# Allegro board A527_draft_V1_0.brd (continued)
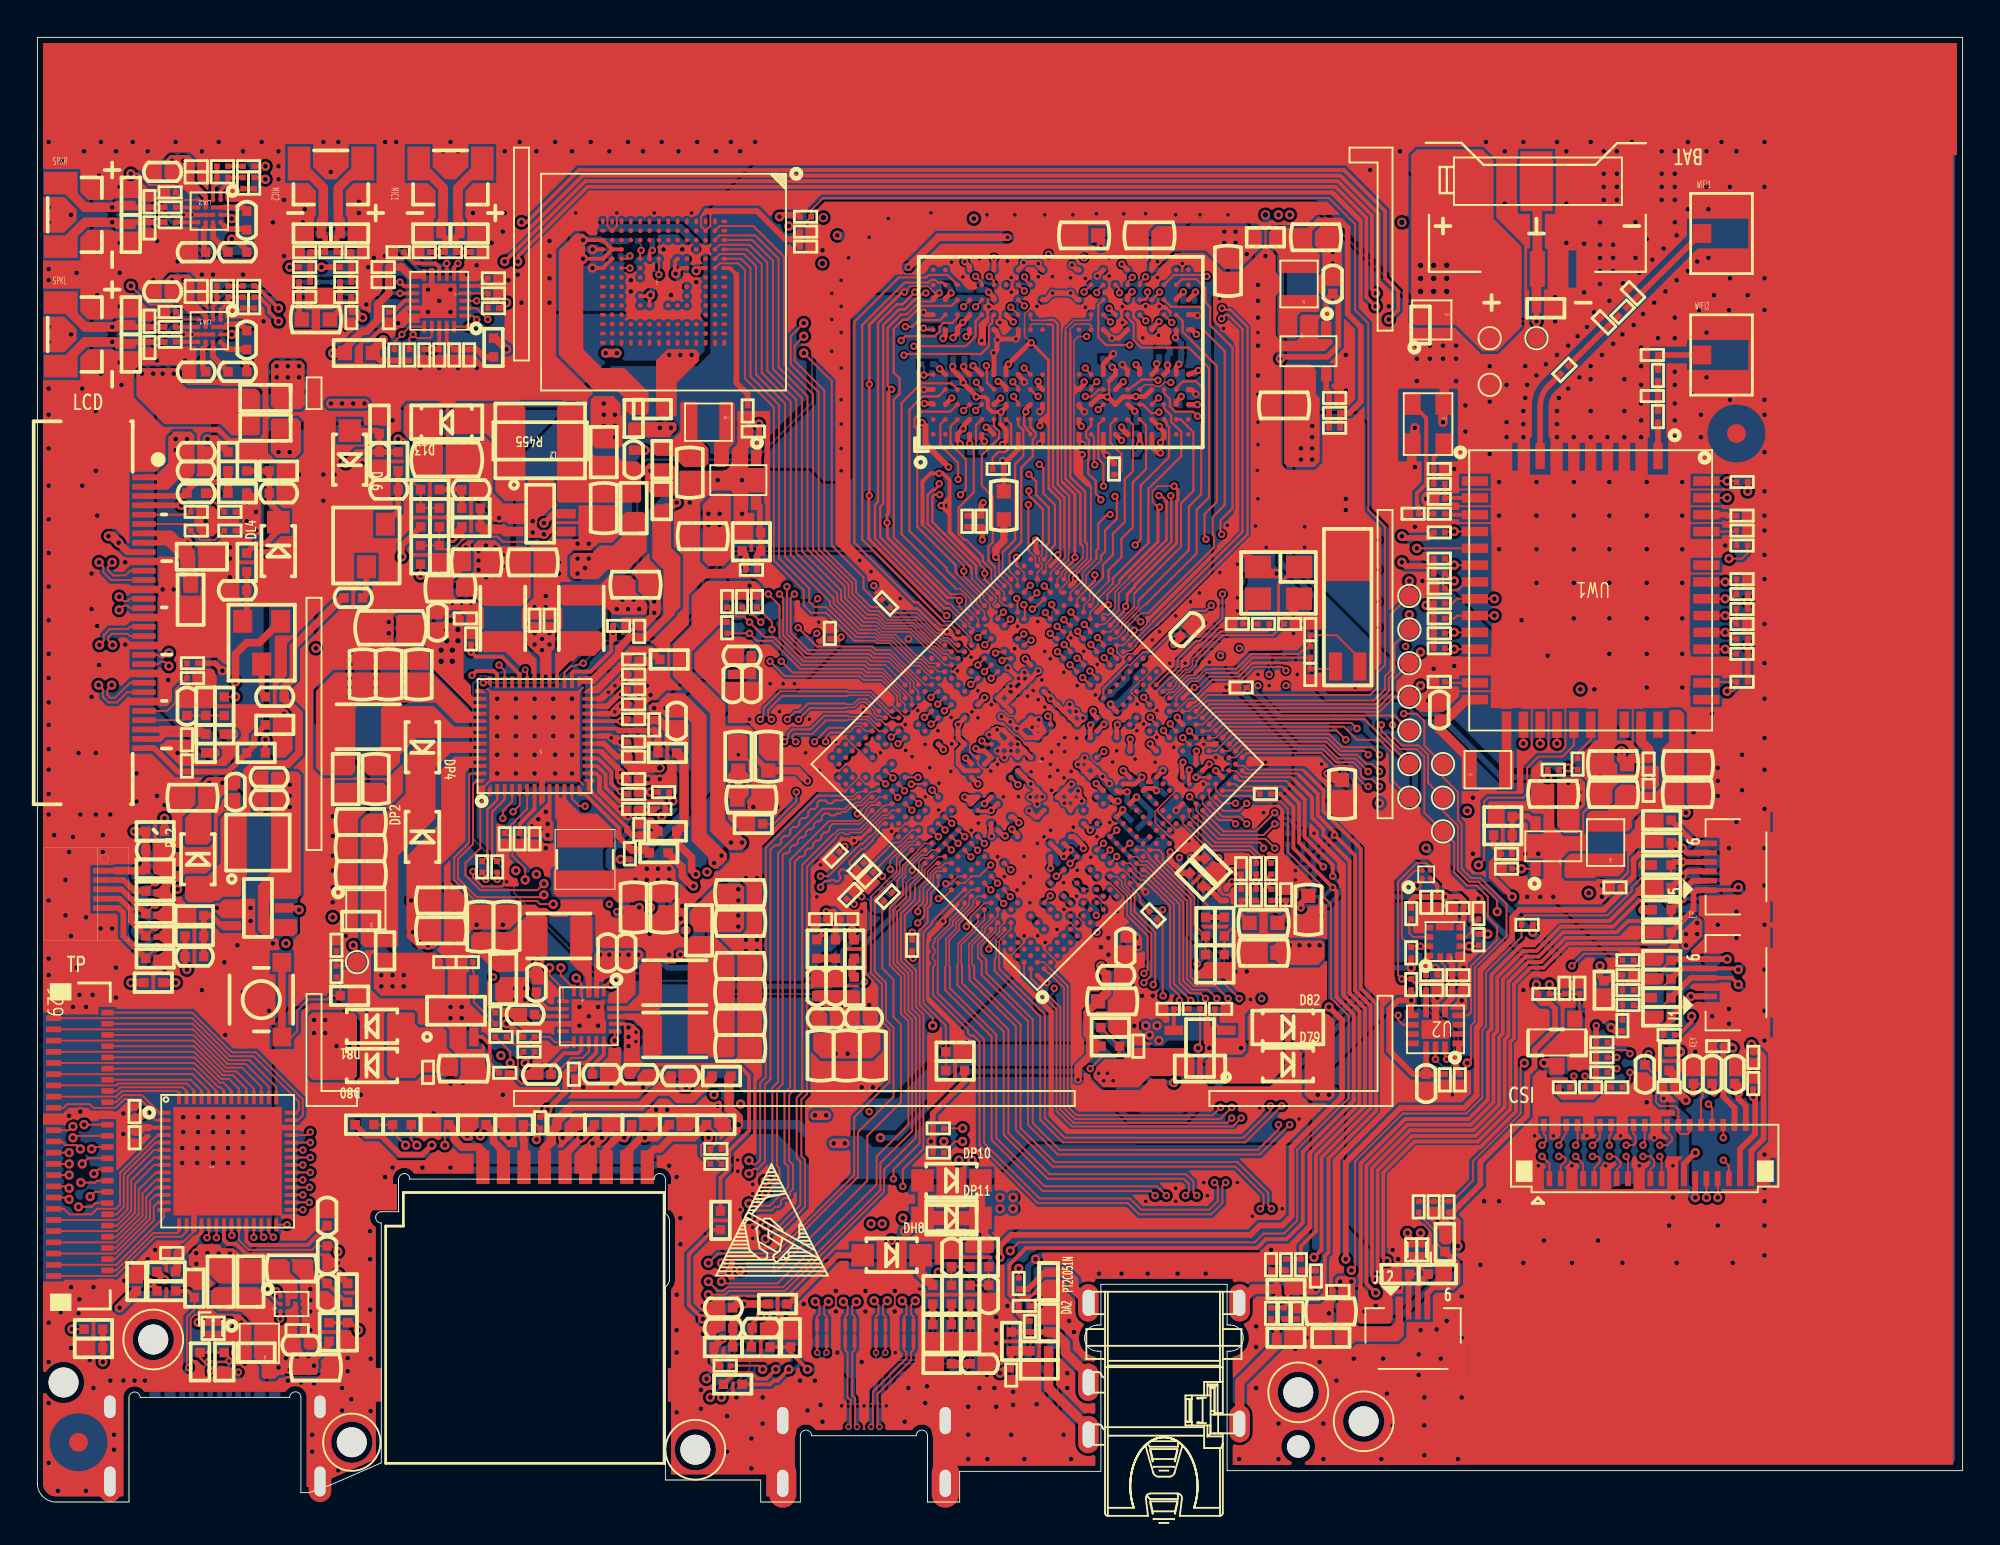
[diagram p0: board, top side]
## Routing (per net, layer and track width the routed paths; a pad name or vN(x,y) marks a point on that pad's centre or on a via; arc(x,y) is an arc through that point) (continued)
GND-ADC: length 10.4
  TOP w0.25: U1.AA7 v1(58.8,37.73)
  TOP w0.254: v1(56.64,38.46) 57.02,38.09 U1.Y10
  TOP w0.3: R46.1 61.75,34.45 v1(61.7,34.5)
  ART05 w0.254: v1(56.64,38.46) 57.1,38 57.57,38 58.07,38.5
  ART05 w0.305: 58.07,38.5 58.5,38.5 58.8,38.2 v1(58.8,37.73)
  BOTTOM w0.3: v1(58.8,37.73) 58.82,37.73 59.56,36.99 59.56,36.74 C68.2 ; v1(61.7,34.5) 61.7,34.6 60.5,35.8 60.12,35.8 C67.2 59.89,36.01 C68.2 ; C133.2 C68.2
VBAT:
  vias: v2(30.3,58.8) v2(30.3,58.2) v2(30.3,57.6) v2(30.9,58.2) v2(30.9,57.6) v2(30.9,57) v4(21.6,45.6) v4(21.6,45) v4(21.9,46.7) v4(21.9,46.1) v4(22.1,47.2) v4(22.2,45.6) v4(22.2,45) v4(22.5,46.7) v4(22.5,46.1) v4(74,66.2) v4(74,65.5) v4(74,64.8) v4(74.7,66.2) v4(74.7,65.5) v4(74.7,64.8) v4(75.4,66.2) v4(75.4,65.5) v4(75.4,64.8)
VBUS: length 1.4
  TOP w0.24: UP2.A2 UP2.A3 13.8,11.3 ; UP2.A2 UP2.B2 ; UP2.A2 13.4,11.3
  vias: v2(8.5,13.33) v2(8.5,12.75) v2(9.1,13.33) v2(9.1,12.75) v2(9.7,13.3) v2(10.3,13.3) v2(20,32.2) v2(20.1,30.5) v2(20.3,31.7) v2(20.4,30) v2(20.8,31.4) v2(20.9,29.8)
VCC33-USB: length 16.8
  TOP w0.25: U1.K19 U1.J19 v1(49.61,37.73) U1.K19
  TOP w0.3: C72.1 v1(46.8,30.5)
  TOP w0.4: RP34.2 v2(42.2,29.1) RP56.2
  ART03 w0.3: v1(46.8,30.5) 46.1,30.5 44.7,29.1 v2(42.2,29.1)
  ART04 w0.3: v1(49.61,37.73) 47.3,35.42 47.3,35.1
  ART04 w0.4: 47.3,35.1 47.3,32.6 46.6,31.9 46.6,30.7 v1(46.8,30.5)
VCC-5V: length 4
  TOP w0.5: DP11.A 48.14,15.21 RU28.2 ; DP11.A DP10.A ; DP11.A 47.25,15.21 46.54,14.5 v2(46.4,14.5)
  vias: v1(56.77,22.95) v1(57.05,22.55) v1(57.25,22.95) v1(57.55,22.55) v2(12.9,56.8) v2(12.9,56.2) v2(13.5,56.8) v2(13.5,56.2) v2(18.4,28.2) v2(18.4,27.6) v2(19,28.2) v2(19,27.6) v2(19.6,28.2) v2(19.6,27.6) v2(51.5,16.3) v2(51.5,15.7) v2(52.2,16.3) v2(52.2,15.7)
VCC-5V-HDMI: length 20.4
  TOP w0.4: DH7.2 v2(49.4,7.4) CH4.2
  TOP w0.5: 50.5,13.6 50.9,14 ; 50.5,13.6 RH2.2 49.9,13.8 v2(50.4,14.3) ; 50.5,13.6 RH1.2 50.9,14 ; 50.9,14 50.6,14.3 v2(50.4,14.3) ; RU28.1 50.44,15.2 DP11.K ; DP11.K DP10.K ; DP11.K 50.6,15.06 50.6,14.5 v2(50.4,14.3)
  ART04 w0.5: v2(50.4,14.3) 50.6,14.1 50.6,8.1 CH4.2 v2(49.4,7.4)
  BOTTOM w0.2: 46.3,6.8 46.03,6.53 CON2.19
  BOTTOM w0.4: 46.3,6.8 48.8,6.8 v2(49.4,7.4)
VCC-5V-USB: length 1.3
  TOP w0.3: 72.5,9.2 72.86,9.56 J12.2
  vias: v2(68.5,21.8) v2(69.1,21.8) v2(69.7,11.8) v2(70.3,11.8)
VCC-CARD-3V3: length 14.4
  TOP w0.5: 33.9,22 33.1,22 ; 33.9,22 34.3,21.6 35,21.6 36.1,22.7 RC2.2 ; 33.9,22 CC1.1 33.1,22 ; 33.1,22 32.3,21.2 28.6,21.2 27.8,20.4 DC5.2 27.8,20.1 27.5,19.8 27.5,19.3 27.13,18.93 JC1.4
VCC-CTP1: length 6
  TOP w0.3: 4.2,33.8 JL4.1
  TOP w0.4: v2(5.2,35.9) BL1.2 CL25.1 DL11.2 5.7,33.8 4.2,33.8
  BOTTOM w0.4: TP7.1 5.5,35.6 v2(5.2,35.9)
VCC-DRAML: length 29.5
  TOP w0.254: v1(59.88,60.93) 59.88,60.6 UD1.W5 ; v1(59.93,66.39) 59.63,66.09 UD1.W12 ; U1.AC19 54.91,42.38 v1(55.23,42.7) 55.23,42.66 v1(55.57,42.32) ; U1.AC19 55.27,41.98 ; U1.AC19 U1.AC20 54.24,43 v1(54.21,43) 54.21,43.04 U1.AC22 ; UD1.AA3 60.93,58.91 v1(61.2,59.18) ; 55.27,41.98 55.57,42.28 v1(55.57,42.32) ; 55.27,41.98 U1.AC18 U1.AC17 55.65,41.62 55.94,41.91 v1(55.94,41.97) 55.92,41.97 v1(55.57,42.32) ; v1(61.07,60.9) 60.93,60.76 UD1.AA5 ; v1(48.45,62.28) 48.58,62.4 UD1.B8 ; UD1.W1 59.63,56.46 59.93,56.15 v1(60.09,56.15) ; v1(58.57,64.79) 58.33,64.55 UD1.U10 ; v1(49.69,62.38) 49.88,62.57 UD1.D8 ; v1(51.53,59.09) 51.19,58.75 UD1.F3 ; v1(60.88,62.33) 60.93,62.38 UD1.AA8 ; v1(48.88,64.72) 48.58,64.42 UD1.B10 ; v1(49.61,66.39) 49.88,66.13 UD1.D12 ; v1(50.9,64.76) 51.18,64.48 UD1.F10 ; v1(61.31,64.78) 60.93,64.39 UD1.AA10 ; v1(60,63.19) 59.63,62.81 UD1.W8 ; UD1.U3 58.35,58.75 v1(58.71,58.39) ; UD1.D1 v1(49.88,56.66) ; UD1.B3 v1(48.92,59.1) ; v1(49.55,60.78) 49.55,60.65 49.85,60.35 UD1.D5 ; UD1.B5 v1(48.27,60.66)
  BOTTOM w0.254: v1(48.88,64.72) 48.88,64.92 CD22.1
  BOTTOM w0.3: v1(48.27,60.66) 48.03,60.9 RD3.2 ; v1(48.45,62.28) 48.4,62.33 RD4.2 ; v1(61.31,64.78) 61.3,64.77 CD21.1 ; CD10.1 49.9,56.64 v1(49.88,56.66) ; CD25.1 50.76,64.9 v1(50.9,64.76) ; CD20.1 60,61.05 v1(59.88,60.93) ; CD11.1 58.8,58.3 v1(58.71,58.39) ; CD8.1 60.14,66.6 v1(59.93,66.39) ; v1(61.2,59.18) 61.1,59.08 CD23.1 ; v1(60.88,62.33) 61.2,62.02 CD24.1 61.2,61.03 v1(61.07,60.9) ; CD32.1 59,47.12 v1(59.03,47.12) ; v1(44.75,49.05) 46.9,46.9 47.5,46.9 48.3,46.1 49,46.1 RD5.2 ; v1(49.55,60.78) 49.6,60.82 CD9.1
  vias: v2(63.5,68) v2(63.5,67.4) v2(64.1,68) v2(64.1,67.4) v2(64.7,67.4) v2(64.7,66.8)
VCC-LCD: length 20.9
  TOP w0.3: RL28.2 19.5,51.2 v2(19.5,50.6) ; RL3.2 9.5,44.9 v2(9.9,44.5) ; RL2.2 11.2,53 ; RL1.2 11.2,52
  TOP w0.5: 11.2,53 v2(11.7,53) ; 11.2,53 v2(11.2,52.5) 11.2,52 v2(11.7,52) v2(11.7,53) ; 11.2,53 v2(11.2,53.5) RL11.1 11.7,53.5 v2(11.7,53) ; v2(17.5,58.8) v2(16.9,58.8) v2(16.3,58.8) v2(15.7,58.8) ; RL12.1 v2(10.5,41.1)
  ART03 w0.3: v2(19.5,50.6) 17.9,50.6 16.1,52.4 12.1,52.4 v2(11.7,52)
  vias: v2(13.5,38.4) v2(13.5,37.8) v2(13.5,37.2) v2(32.8,55.2) v2(33,54.7) v2(33.6,54.7) v2(33.9,55.2)
VCC-PC: length 59.4
  TOP w0.2: UM1.M4 UM1.N4 ; UM1.N4 UM1.P5 v2(29.2,66.55) ; UM1.N4 UM1.P3 v2(29.2,67.55) ; v2(35.25,65.9) 35.4,66.05 UM1.C6
  TOP w0.254: v1(50.68,43.06) 50.68,43.05 50.32,42.69 U1.U26
  TOP w0.3: v1(43,46.3) 42.9,46.2 C48.1
  ART04 w0.3: v2(29.2,67.55) v2(29.2,66.55) 29.1,66.45 29.1,65.2 30.3,64 36.4,64 40.7,59.7 40.7,50.2 42.7,48.2 42.7,46.6 v1(43,46.3) 45.7,46.3 46.7,45.3 47.1,45.3 49.5,42.9 50.52,42.9 v1(50.68,43.06)
  BOTTOM w0.3: CM2.1 29.05,66.7 v2(29.2,66.55) ; RM9.2 30.6,67.5 ; 30.6,67.5 30.2,67.5 30.1,67.6 29.25,67.6 v2(29.2,67.55) 29.15,67.5 CM8.1 ; 30.6,67.5 RM8.2
  BOTTOM w0.4: v2(35.25,65.9) 35.25,67.35 34.4,68.2 29,68.2 28.7,67.9 CM8.1 CM2.1
VCC-RTC: length 125.5
  TOP w0.2: UP1.35 25.8,44.3 24.85,45.25 23.45,45.25 v1(23.2,45.5)
  TOP w0.254: U1.AE13 57.74,41.53 57.78,41.56 v1(57.78,41.6)
  TOP w0.3: RP129.1 25.87,24.9 25.17,25.6 v2(25.1,25.6) ; CP25.1 v1(23.2,45.5) ; RP2.1 40.7,68.9 39.8,68.9 v2(39.7,68.8)
  ART03 w0.3: v2(39.7,68.8) 39.7,68.4 34.1,62.8 33.2,62.8 32,61.6 32,55.8 27,50.8 27,49.7 CP25.1 v1(23.2,45.5) 23.2,45.27 22.3,44.37 22.3,37 25.5,33.8 v2(25.6,33.8) ; v2(67,68.9) 67.6,68.3 67.6,60 66.9,59.3 66.9,49.5 66.2,48.8 66.2,47.6 v1(64.3,45.7)
  ART03 w0.305: v1(57.78,41.6) 58.3,42.12 58.3,42.9 59.6,44.2 62.9,44.2 64.3,45.6 v1(64.3,45.7)
  ART04 w0.3: v2(25.6,33.8) 25.6,33.05 25.43,32.87 25.43,30.43 25,30 25,25.7 v2(25.1,25.6)
  ART05 w0.3: v2(67,68.9) 67,69.2 65.3,70.9 45,70.9 42.3,68.2 41.6,68.2 40.9,68.9 39.8,68.9 v2(39.7,68.8)
  BOTTOM w0.3: v1(64.3,45.7) RP4.1 ; C20.1 57.78,41.68 v1(57.78,41.6)
VDD09-USB: length 13.6
  TOP w0.25: U1.L18 v1(50.67,37.38)
  TOP w0.4: RP33.2 43.6,29 v2(43.6,28.6) 43.6,28.2 RP41.2
  BOTTOM w0.3: v1(50.67,37.38) 50.48,37.38 50,36.9 C73.1 49.6,36.9 49.38,36.67 49.38,36.08 47.3,34 47.3,33.6 45.8,32.1 45.8,31.4 44.2,29.8 44.2,29.2 v2(43.6,28.6)
VDD-CPUB: length 8.9
  TOP w0.25: 51.35,40.94 v1(51.35,41.34) 51.66,41.34 U1.U22 U1.U21 ; 51.35,40.94 51.18,41.12 51.18,41.34 ; 51.35,40.94 U1.T22 ; U1.U21 52.1,40.91 v1(52.45,40.57) ; U1.U21 U1.T21
  TOP w0.254: v1(52.09,40.21) U1.T19 U1.U19 ; v1(52.09,40.21) v1(51.73,39.85) v1(51.37,40.21) 51.72,40.56 U1.T21 ; v1(52.09,40.21) U1.T21 ; v1(52.09,40.21) v1(52.45,40.57) 52.79,40.22 U1.U19 ; U1.U18 U1.U19 ; v1(51.35,41.34) 51.18,41.34 50.92,41.08 v1(50.92,41.07) 51.04,41.07 51.2,40.91 U1.T22 U1.T21
  vias: v2(36.1,31.4) v2(36.4,31.9) v2(37,31.9) v2(37.5,32.8) v2(37.5,32.2) v2(37.5,31.4) v2(37.5,30.8)
VDD-CPUBFB: length 34
  TOP w0.1: v2(30.7,27.7) 30.4,27.7 30.3,27.6 UP8.1 ; v2(30.89,24.7) UP8.16
  TOP w0.114: v1(50.53,40.74) 50.71,40.56 U1.R22
  ART03 w0.114: v1(50.53,40.74) 50.27,41 48.6,41 48.4,40.8 48,40.8 47.7,41.1 46.3,41.1 45.9,41.5 45.5,41.5 44.9,40.9 44.2,40.9 35.63,32.33 34.33,32.33 33.83,31.83 v2(32.8,31.83)
  ART04 w0.1: v2(32.8,31.83) 32.8,31.73 31.17,30.1 30.1,30.1 29.6,29.6 29.6,28.8 v2(30.7,27.7) 31,27.4 31,24.81 v2(30.89,24.7)
  BOTTOM w0.1: T7.1 v1(50.53,40.74)
VDD-CPULFB: length 32.9
  TOP w0.1: UP1.12 28.6,37.65 29,37.25 v1(29.3,37.25) ; v1(54.06,42.07) 54.21,41.92 U1.AA19
  ART03 w0.076: v1(54.06,42.07) 53.88,42.07 53.25,42.7 53.02,42.7 53.02,42.7 52.74,42.7 52.74,42.7 52.7,42.7 52.4,43 51.6,43 48.8,45.8 48.56,45.8
  ART03 w0.1: v1(29.3,37.25) 30.75,37.25 31,37.5 32.9,37.5 33.7,38.3 33.8,38.3 34.3,38.8 34.7,38.8 35.9,40 35.9,41 38.3,43.4 40.7,43.4 43.1,45.8 48.56,45.8
  BOTTOM w0.1: T8.1 54.38,42.38 v1(54.06,42.07)
VDD-DNR: length 14.8
  TOP w0.254: 55.98,39.15 55.98,39.18 v1(55.68,39.48) v1(56.04,39.84) 56.04,39.75 56.29,39.5 U1.AA13 ; 55.98,39.15 U1.Y12 U1.AA12 ; 55.98,39.15 U1.AA13 ; 55.98,39.15 U1.Y13 ; v1(57.35,38.46) 57.01,38.8 57.01,38.82 v1(57,38.83) U1.AA12 ; U1.AA13 U1.AA12
  TOP w0.5: 68.6,29.6 68.6,29.2 68.4,29 66.6,29 66.35,29.25 C43.1 ; 68.6,29.6 68.4,29.4 C43.1 ; 68.6,29.6 v2(68.6,29.8) v2(68.05,29.8) v2(67.53,29.8) v2(67,29.8) 66.5,29.8 66.35,29.65 C43.1
  ART03 w0.1: v2(59.9,25.5) 59.5,25.9 58.2,25.9 57.9,25.6
  vias: v2(25.55,27.5) v2(25.55,26.9) v2(26.1,27.5) v2(26.1,26.9) v2(59.3,25.5) v2(59.5,25) v2(60,24.7)
VDD-DNRFB: length 58.9
  TOP w0.1: UP8.4 29.09,27.39 29.09,27.79 v2(28.83,28.05)
  TOP w0.114: U1.AB13 v1(57.06,40.17)
  ART03 w0.1: v1(65.5,26.95) 65.35,26.95 64.95,27.35 62.38,27.35 62.12,27.08 62.12,26.77 61.85,26.5 45.2,26.5 44.7,27 33.7,27 32.3,28.4 29.17,28.4 v2(28.83,28.05) ; v1(57.06,40.17) 57.49,40.6 58,40.6 58.4,40.2 59.1,40.2 59.3,40 60,40 61.65,38.35 v1(61.65,37.75)
  BOTTOM w0.1: v1(61.65,37.75) T10.1 62.1,30.5 63.5,29.1 63.5,28.1 63.7,27.9 64.75,27.9 65.5,27.15 v1(65.5,26.95)
VDD-SYSFB: length 54.8
  TOP w0.1: v3(26.1,44.55) 26.2,44.45 UP1.34
  TOP w0.114: v1(52.46,38.4) 52.46,38.42 U1.P18
  ART03 w0.1: v1(44.25,27.85) 44.5,28.1 45,28.1 46.5,29.6 47.6,29.6 50.2,32.2 51.2,32.2 53.3,34.3 53.3,34.7 53,35 53,36.5 52.1,37.4 52.1,38.04 v1(52.46,38.4)
  BOTTOM w0.1: v1(44.25,27.85) 44.25,27.85 44.15,27.75 43.45,27.75 42.9,27.2 36.4,27.2 35.7,27.9 33.1,27.9 32.7,28.3 29.8,28.3 25.5,32.6 25.5,33.3 23.3,35.5 23.3,43.8 23.7,44.2 24,44.2 24.1,44.1 25.6,44.1 26.05,44.55 v3(26.1,44.55) ; v1(52.46,38.4) 52.4,38.4 T9.1
VDDI-EMMC: length 9.9
  TOP w0.1: 36,68.9 36,68.3 UM1.C2 35.5,68.3 35.5,68.8 35.65,68.95 ; 36,68.9 35.8,69.1 ; 36,68.9 36.2,69.1
  TOP w0.2: 35.8,69.1 35.65,68.95
  TOP w0.3: 40.4,67.6 40,67.6 38.5,69.1 35.8,69.1 ; 40.4,67.6 CM3.1 CM4.1 40.4,67.6
323-ALDO1: length 2
  TOP w0.2: UP8.15 30.3,23.95 29.7,23.35 CP136.1
323-DLDO1: length 2.9
  TOP w0.2: UP8.12 29.1,24.2 28.93,24.03 28.18,24.03 27.47,23.32 CP137.1
323-RTCLDO: length 2
  TOP w0.2: CP138.1 26.7,27 27.3,26.4 UP8.7
ACIN-DET: length 13.4
  TOP w0.076: U1.AM6 63.05,40.91 63.63,41.5
  TOP w0.1: TP31.1 72.5,38.6 72.5,40.1 71.8,40.8 70.6,40.8 69.9,41.5 63.63,41.5
AECLN: length 1.3
  TOP w0.2: UA3.12 v1(19.4,64.7)
  BOTTOM w0.2: CA66.2 v1(19.4,64.7)
AECLP: length 1.4
  TOP w0.2: UA3.11 19.6,65.1 v1(19.4,65.3)
  BOTTOM w0.2: CA63.2 v1(19.4,65.3)
AECRN: length 5.1
  TOP w0.2: v1(22.5,66.3) 22.3,66.1 UA3.6
  BOTTOM w0.2: v1(22.5,66.3) 22.1,65.9 20.48,65.9 19.08,67.3 CA59.2
AECRP: length 4.5
  TOP w0.2: UA3.7 v1(21.9,66.3)
  BOTTOM w0.2: v1(21.9,66.3) 21.8,66.2 20.6,66.2 18.9,67.9 CA56.2
AFVCC-CSI: length 83.6
  TOP w0.3: CV1.1 90.2,21.7 90.8,21.1 90.8,20.19 JV1.36
  TOP w0.4: CV1.1 90.6,24.4 v2(90.7,24.3) ; v2(35.23,33.6) 35,33.83 35,34.5 34.2,35.3 RP53.2
  TOP w0.5: RP53.2 34.6,36.3 34.6,39.7 RP35.2
  ART03 w0.4: v2(37.63,21.3) 38.6,21.3 39.3,20.6 40.8,20.6 41.3,20.1 43.1,20.1 44.3,18.9 45.5,18.9 47.15,20.55 59.7,20.55 62.2,23.05 64.93,23.05 65.55,23.68 66.94,23.68 67.12,23.85 74.05,23.85 74.5,24.3 83.1,24.3 83.5,24.7 89.1,24.7 89.5,24.3 v2(90.7,24.3)
  ART04 w0.4: v2(37.63,21.3) 37.63,21.4 35.6,23.43 35.6,28.9 33.85,30.65 33.85,32.05 34.4,32.6 34.4,33.2 34.8,33.6 v2(35.23,33.6)
ALDO1: length 76.9
  TOP w0.3: JV1.38 91.4,20.19 91.4,21.2 91,21.6 v2(91,21.9)
  TOP w0.4: v2(35.1,32.97) 35.03,32.97 34.5,33.5 34.5,33.99 RP16.1
  TOP w0.5: v2(91,21.9) 91,22.2 CV2.1
  ART03 w0.4: v2(91,21.9) 91,22 90.5,22.5 86.3,22.5 85.7,21.9 81.9,21.9 81.4,22.4 68,22.4 67.88,22.28 66.13,22.28 65.51,21.65 62.95,21.65 60,18.7 52.7,18.7 49.8,15.8 45.9,15.8 45.2,15.1 v2(45.2,14.9)
  ART04 w0.4: v2(45.2,14.9) 45.2,15.08 38.8,21.48 38.8,21.71 36.6,23.91 36.6,29.5 35.1,31 v2(35.1,32.97)
ALDO2: length 114.5
  TOP w0.2: UP1.14 29.49,38.16 31.55,36.1
  TOP w0.25: U1.L9 v1(54.21,33.93)
  TOP w0.3: CV3.1 92.1,24.1 92.35,23.85 92.35,19.45 91.7,18.8 91.7,17.31 JV1.39 ; RV2.1 83.4,21.9 83.19,21.69 81.61,21.69 81.4,21.9 RV3.1 ; RV2.1 RV5.1 RV6.1 RV7.1 v1(83.4,25.5) ; RV2.1 RV4.1 ; 31.55,36.1 31.55,35.95 31.8,35.7 CP28.1
  TOP w0.4: CV3.1 91.8,24.4 v2(91.7,24.5) ; CP28.1 33,35.7 RP53.1 33.2,36 v2(32.8,36.4)
  ART03 w0.4: v2(36.2,21.8) 36.3,21.9 38.8,21.9 39.45,21.25 42.75,21.25 43.9,20.1 45.75,20.1 46.7,21.05 59.4,21.05 v2(60.8,22.45) 61.9,23.55 64.72,23.55 65.35,24.18 66.74,24.18 66.91,24.35 73.82,24.35 74.27,24.8 82.7,24.8 v1(83.4,25.5) 83.9,26 84.7,26 85.4,25.3 89.3,25.3 89.6,25 91.2,25 v2(91.7,24.5)
  ART04 w0.4: v2(34.4,29.3) 35.1,28.6 35.1,23.2 36.2,22.1 v2(36.2,21.8)
  BOTTOM w0.3: v2(60.8,22.45) 59.65,22.45 56.2,25.9 56.2,29.9 55.5,30.6 55.5,31.82 C52.1
  BOTTOM w0.305: v1(54.21,33.93) 54.03,33.75 54.03,33.29 C52.1
  BOTTOM w0.4: v2(32.8,36.4) 31.6,35.2 31,35.2 30.6,34.8 30.6,34.1 30.9,33.8 30.9,32.7 31.5,32.1 31.5,31.6 32,31.1 32.9,31.1 34.4,29.6 v2(34.4,29.3)
ALDO3: length 143.5
  TOP w0.2: CP31.1 33.6,37.3 33.4,37.5 31.15,37.5 30.4,38.25 30.4,38.95 29.95,39.4 UP1.16
  TOP w0.254: U1.AE11 58.46,40.22 v1(58.46,40.83)
  TOP w0.3: v2(80.2,27.7) 80.2,27.3 RV13.1 80.3,26.9 80.5,26.7 80.9,26.7 81.2,26.4 81.2,25.3 80.1,24.2 80.1,23.3 79.7,22.9 79.7,20.7 77.2,18.2 77.2,17 75.75,15.55 ; 75.75,15.25 RU4.1 75.7,15.5 75.75,15.55 ; 75.75,15.25 75.75,15.55 ; 75.75,15.25 76,15 v2(76,13.7) ; RP56.1 v1(42.1,30.5) ; CP31.1 33.6,36.9 v2(33.4,36.7)
  ART03 w0.3: v2(46.3,15.2) 50.5,15.2 51.4,14.3 52.1,14.3 v2(53.4,13)
  ART04 w0.3: v1(65.3,43.7) 64.5,43.7 64,44.2 59.5,44.2 58.3,43 58.3,40.99 v1(58.46,40.83) ; v2(46.3,15.2) 46.2,15.3 46.2,15.4 43.9,17.7 43.9,21.6 41.1,24.4 41.1,29.5 v1(42.1,30.5) 42.8,30.5 43.1,30.8 43.1,31.2 42.7,31.6 42.7,34.2 42.2,34.7 42.2,35.7 40.1,37.8 35,37.8 33.9,36.7 v2(33.4,36.7)
  BOTTOM w0.3: U3.1 52.51,6.99 52.75,6.75 52.75,5.25 52.9,5.1 C94.1 R25.2 53.9,4.9 54.21,5.21 54.21,6.69 53.5,7.4 53.5,9.9 53,10.4 53,12.6 v2(53.4,13) 53.6,13.2 65.2,13.2 67.8,10.6 69.4,10.6 70.3,9.7 72.7,9.7 76,13 v2(76,13.7) ; v2(80.2,27.7) 80.2,28.7 77.2,31.7 76.8,31.7 73.7,34.8 73.7,39.3 72.2,40.8 71.6,40.8 71.1,41.3 71.1,41.7 70.8,42 RP5.1 RP6.1 66.5,42 64.9,43.6 C59.1 v1(65.3,43.7)
ALDO4: length 170.7
  TOP w0.2: v1(31.2,38.05) 31.1,38.05 30.7,38.45 30.7,39.1 30,39.8 UP1.17
  TOP w0.254: v1(52.85,45.13) 52.85,45.1 U1.AD25 ; v1(57.06,41.63) 57.01,41.57 56.99,41.57 U1.AD15 ; v1(57.41,42.7) 57.41,42.66 U1.AG15 ; v1(58.07,37.06) 58.07,37 U1.W7
  TOP w0.3: v2(32.8,38) RP57.1 ; R7.1 v1(63,31.3) R5.1 ; 63.6,32.2 63.3,32.2 v1(62.8,32.7) 62.55,32.95 R45.1 ; v1(31.2,38.05) 31.35,37.9 CP32.1 ; CD18.1 CD17.1 50.55,52.15 v1(50.55,51.51)
  TOP w0.305: v1(48.75,55.4) 47.52,56.63 47.52,57.59 v1(47.33,57.78)
  TOP w0.4: v1(46.6,66.1) 48.2,67.7 v1(51.9,67.7)
  ART03 w0.4: v2(66.4,68.9) 66.4,68.7 67.1,68 67.1,60.4 66.4,59.7 66.4,50.8 65.6,50 65.6,47.8 63.3,45.5 v1(63.3,45.3) ; v2(42.8,67.8) 41.9,67.8 40.4,66.3 40.4,61 41.2,60.2 41.2,48.3 40,47.1 40,46.4 39.3,45.7 38.1,45.7 37.5,45.1 37.5,44.4 34.7,41.6 34.7,40.6 34,39.9 32.9,39.9 31.77,38.78 31.77,38.37 31.45,38.05 v1(31.2,38.05)
  ART04 w0.229: v1(58.07,37.06) 58.07,36.73 62.1,32.7 v1(62.8,32.7)
  ART04 w0.3: v1(31.2,38.05) 31.25,38 v2(32.8,38) ; v1(63,31.3) 62.8,31.5 v1(62.8,32.7) 63.3,33.2 63.3,33.9 63.7,34.3 63.7,34.8 63.2,35.3 63.2,36.9 60,40.1 59.3,40.1 59.1,40.3 58.3,40.3 57.06,41.54 v1(57.06,41.63) 57.06,42.35 v1(57.41,42.7)
  ART04 w0.305: v1(52.85,45.13) 53.64,45.92 53.64,46.37 52.98,47.03 52.98,47.07 51.16,48.89 51.16,49.98 50.78,50.36 50.78,51.28 v1(50.55,51.51) 50.31,51.75 50.31,52.46 49.94,52.83 49.94,55.14 49.68,55.4 v1(48.75,55.4) ; v1(47.33,57.78) 47.31,57.78 46.94,58.16 46.94,60.57 47.43,61.06 47.43,62.12 46.95,62.6 46.95,63.29 45.9,64.34 45.9,65.4 v1(46.6,66.1)
  ART05 w0.4: v2(42.8,67.8) 42.8,68 45.2,70.4 65.1,70.4 66.4,69.1 v2(66.4,68.9)
  BOTTOM w0.3: v1(51.9,67.7) 54.1,67.7 RD6.1 ; v1(58.07,37.06) 58.07,36.93 C133.1
  BOTTOM w0.4: v1(57.06,41.63) 57.41,41.98 v1(57.41,42.7) 57.8,42.7 58.8,43.7 58.8,44.12 C21.1 C22.1 59.78,45.1 60,45.1 60.3,45.4 61.2,45.4 61.7,45.9 63,45.9 63.3,45.6 v1(63.3,45.3) ; v2(42.8,67.8) 43,67.8 44.7,66.1 v1(46.6,66.1)
ALDO-OUT: length 2.6
  TOP w0.25: U1.AE7 v1(60.22,39.15)
  BOTTOM w0.3: 60.05,39.15 60.04,39.15 59.57,39.15 RP59.1 ; 60.05,39.15 C62.1 60.39,39.32 v1(60.22,39.15) 60.05,39.15
AP-CK32K-OUT: length 44.5
  TOP w0.076: U1.AL11 60.92,42.33 61.6,43 61.83,43 62.61,43.79
  TOP w0.1: RW2.1 81.5,39.3 v2(81.9,39.3) 82.3,39.3 RW30.2 ; v1(66.8,44.5) 66.6,44.7 65.1,44.7 64.4,44 62.83,44 62.61,43.79 ; RW15.1 91.5,50.8 91.2,50.5 v2(90.5,50.5)
  ART04 w0.1: v1(66.8,44.5) 67,44.7 72.15,44.7 73.8,43.05 73.8,42.6 76.6,39.8 81.4,39.8 v2(81.9,39.3) 84.9,39.3 88.5,42.9 88.5,49.1 89.9,50.5 v2(90.5,50.5)
AP-NMI: length 128.7
  TOP w0.076: 62.6,43.2 62,42.6 61.9,42.6 61.63,42.33 U1.AM10
  TOP w0.1: 62.6,43.2 64.5,43.2 64.6,43.3 64.6,43.5 C23.1 65.1,43.2 71.3,43.2 71.7,43.6 71.7,44.4 72.1,44.8 72.1,52.2 71.2,53.1 71.2,63.1 70.5,63.8 70.5,68.4 69.1,69.8 42.03,69.8 41.4,69.17 RP2.2 41,68.4 40.3,68.4 v2(40.2,68.3) ; v1(24.7,44.8) 25,44.5 UP1.37 ; RP130.1 25.3,24.1 v2(25.3,23.5)
  ART03 w0.1: v2(40.2,68.3) 40.2,68.1 34.4,62.3 33.4,62.3 32.4,61.3 32.4,57.1 33,56.5 33,56.1 27.45,50.55 27.45,49.45 24.9,46.9 24.9,45 v1(24.7,44.8) 23.3,44.8 22.8,44.3 22.8,37.1 25.6,34.3 26,34.3 v2(26.7,33.6)
  ART04 w0.1: v2(25.3,23.5) 27,25.2 27,27.65 26,28.65 26,29.6 26.15,29.75 26.15,32.65 26.7,33.2 v2(26.7,33.6)
AP-RESET: length 130.8
  TOP w0.1: R19.1 84.45,29.35 82.75,29.35 v1(82.1,28.7) ; RP128.1 26.6,24 v2(26.1,23.5) ; v2(27.1,33.1) 26.75,32.75 23.7,32.75 22.9,33.55 22.9,34.2 23.7,35 23.7,37.4 24.2,37.9 UP1.1
  TOP w0.114: U1.AJ11 59.54,41.94 v1(59.54,42.01)
  ART03 w0.1: v2(82.55,43.5) 83.65,42.4 83.65,39.6 84,39.25 84,35.65 81.9,33.55 81.9,28.9 v1(82.1,28.7) 82.55,28.25 82.55,27.55 81.05,26.05 73.65,26.05 73.1,25.5 66.4,25.5 66.25,25.35 61.93,25.35 60.9,24.32 60.9,24.17 58.73,22 46.1,22 45.8,21.7 43.5,21.7 43.2,22 39.8,22 39.05,22.75 26.85,22.75 v2(26.1,23.5)
  ART04 w0.1: v2(82.55,43.5) 75.15,43.5 74.25,44.4 73.1,44.4 72.3,45.2 66.5,45.2 65.9,44.6 v1(65.9,44.3) 66.25,43.95 66.25,43.45 65.9,43.1 60.05,43.1 59.54,42.59 v1(59.54,42.01) ; v2(27.1,33.1) 26.5,32.5 26.5,29.6 26.4,29.5 26.4,28.67 27.4,27.67 27.4,24.8 v2(26.1,23.5)
  BOTTOM w0.1: v1(65.9,44.3) 65.9,44.7 RP4.2 C24.1
AP-WAKE-BT: length 47.1
  TOP w0.076: 64.55,40.3 64.11,39.85 U1.AM3
  TOP w0.1: 64.55,40.3 68.78,40.3 69.48,39.6 70.4,39.6 70.8,39.2 70.8,38.9 71,38.7 71.4,38.7 v1(71.8,38.3) ; UW1.49 v2(90.4,53.75)
  ART04 w0.1: v1(71.8,38.3) 72.9,38.3 75.7,35.5 84,35.5 90.9,42.4 90.9,43.6 89.4,45.1 89.4,48.3 89.9,48.8 90.7,48.8 91.4,49.5 91.4,52.75 v2(90.4,53.75)
BLDO1: length 191.5
  TOP w0.2: 31,39.25 30.05,40.2 ; 31,39.25 31,39.2 ; 31,39.25 31,39.4 ; 30.05,40.2 UP1.18 ; 30.05,40.2 30.2,40.2 31,39.4 ; 31,39.2 31.15,39.05 v1(31.2,39.05) ; 31,39.2 31,38.8 v1(31.2,38.6) ; CP35.1 31.6,38.8 31,39.4
  TOP w0.25: U1.T9 v1(56.33,35.96)
  TOP w0.3: 74.7,47.6 RW8.2 RW4.2 RW3.2 ; 74.7,47.6 RW7.2 74.4,48.1 v2(74.3,48) 74.7,47.6 ; 74.7,50.1 73.2,50.1 v2(73,50.3) ; 74.7,50.1 RW5.2 ; 74.7,50.1 RW6.2 ; RW64.2 v2(91.5,54.1) ; RW9.2 74.4,51.6 73.1,51.6 v2(73,51.7) ; RW18.2 v2(91.5,45.8) RW19.2 RW65.2 ; RW21.2 v2(91.5,48.2) RW20.2 ; v1(31.2,39.05) 31.25,39 31.3,39 CP35.1 31.5,38.6 v1(31.2,38.6)
  TOP w0.4: v1(31.2,38.6) v1(31.2,39.05)
  TOP w0.5: v4(84.75,40.2) 84.75,39.8 CW18.1 85.35,39.8 CW17.2 86.2,40.3 85.8,40.7 UW1.34
  ART03 w0.3: 85,39.95 v4(84.75,40.2) 85.25,40.2 ; 85,39.95 85.25,40.2 ; 85,39.95 85,35.1 83,33.1 v2(83,32.6) ; v2(91.5,45.8) 91.5,41.2 90.5,40.2 85.25,40.2
  ART03 w0.5: v1(31.2,38.6) v1(31.2,39.05) 31.83,39.68 31.83,40.63 32.2,41 33.15,41 36.8,44.65 36.8,48.8 37.7,49.7 38.3,49.7 40.5,51.9 40.5,59.9 39.7,60.7 39.7,66.5 41.95,68.75 v4(42.05,68.75)
  ART04 w0.3: v2(91.5,54.1) 91.8,53.8 91.8,48.5 v2(91.5,48.2) v2(91.5,45.8) ; v2(83,32.6) 83,32.3 81.75,31.05 76.25,31.05 76,30.8 71.9,30.8 70.4,29.3 61.9,29.3 60.7,30.5 60.7,31.2 v1(60.2,31.7)
  ART04 w0.5: v4(84.75,40.2) 84.75,43.05 83.2,44.6 79,44.6 75.6,48 v2(74.3,48) 73.9,48.4 73.3,48.4 72.7,49 72.7,50 v2(73,50.3) v2(73,51.7) v4(73,68.5)
  ART05 w0.5: v4(42.05,68.75) 44.7,71.4 65.8,71.4 68.35,68.85 72.65,68.85 v4(73,68.5)
  BOTTOM w0.25: v1(56.33,35.96) 56.46,36.1 56.9,36.1 58.51,34.49 C54.1
  BOTTOM w0.3: C54.1 58.51,34.39 58.7,34.2 58.7,32.5 59.5,31.7 v1(60.2,31.7)
  BOTTOM w0.4: v1(31.2,38.6) v1(31.2,39.05)
BLDO2: length 163.9
  TOP w0.2: UD1.T9 v1(57.33,63.9) ; 30,40.6 UP1.19
  TOP w0.254: v1(58.1,59.96) 58.09,59.96 UD1.T4 ; UD1.F12 v1(51.18,66.59) ; v1(58.02,66.26) UD1.U12 ; U1.AG9 59.53,40.54 v1(59.53,40.58) ; UD1.F1 51.18,57.16 50.81,57.53 v1(50.76,57.53) ; v1(51.4,59.98) 51.51,59.98 51.83,59.66 UD1.G4 ; UD1.G9 v1(52.21,63.17)
  TOP w0.3: CP37.1 31,39.9 30.3,40.6 30,40.6 ; v2(66.5,61.2) 66.6,61.3 69,61.3 69.6,61.9 69.6,64.4 CD36.1 68.95,64.35 UD2.1 ; RW2.2 v2(80.8,38.8)
  TOP w0.305: UD1.U1 58.01,57.47 v1(58.01,57.54)
  TOP w0.5: CP37.1 31.6,39.5 31.8,39.3 v4(33.3,39.3)
  ART03 w0.5: v4(33.3,39.3) 34.4,39.3 35.4,40.3 35.4,41.3 38.1,44 38.4,44 38.8,44.4 40.6,44.4 42.4,46.2 42.4,48.7 41.8,49.3 41.8,66.1 v4(42,66.3)
  ART04 w0.254: v1(58.1,59.96) 58.01,59.88 v1(58.01,57.54)
  ART04 w0.28: v1(58.1,59.96) 57.64,59.96 56.9,60.7 56.9,60.98
  ART04 w0.3: v1(59.53,40.58) 59.4,40.71 59.4,41.2 60.8,42.6 66.2,42.6 66.8,43.2 v1(66.8,43.7)
  ART04 w0.305: 51.39,66.38 51.39,63.98 52.2,63.17 v1(52.21,63.17) 52.21,62.91 51.87,62.57 51.87,61.53 51.32,60.97 51.32,60.06 v1(51.4,59.98) 51.23,59.98 50.68,59.43 50.68,57.6 v1(50.76,57.53) ; 51.39,66.38 v1(51.18,66.59) ; 51.39,66.38 51.39,66.81 ; v1(56,66.6) 56.46,66.14 57.89,66.14 v1(58.02,66.26) 58.02,65.91 58.02,65.55 57.33,64.86 v1(57.33,63.9) 56.9,63.47 56.9,60.98
  ART04 w0.4: v1(56,66.6) 55.8,66.8 v1(54.1,66.8) 53.8,67.1 51.68,67.1 v1(51.18,66.59)
  ART04 w0.5: v1(51.18,66.59) 50.1,67.67 v2(50.1,68.7)
  ART05 w0.3: 50.5,69.7 50.1,69.3 49.7,69.7
  ART05 w0.5: v2(50.1,68.7) 50.1,69.7 ; v4(65.7,68.9) 64.9,69.7 50.1,69.7 ; v4(42,66.3) 42.18,66.3 45.58,69.7 50.1,69.7